# Altium PCB 19_2_Coupled_PP0.PcbDoc (part 3 of 5)
Units mil, origin at the board's own origin, x right, y up, seen from the top; angles counter-clockwise.
Board outline 3937.01 x 10826.77 mil, 10 copper layers (Layer_1 Top, Layer_2 GND Plane 1, Layer_3 Signal inner 1, Layer_4 Power Plane 1, Layer_5  Signal inner 2, Layer_6 GND Plane 2, Layer_7 Signal inner 3, Layer_8 Power Plane 2, Layer_9 GND Plane 3, Layer_10 Bottom), stack 69.4 mil thick; 120 components, 283 nets, 1231 pads, 1956 vias.
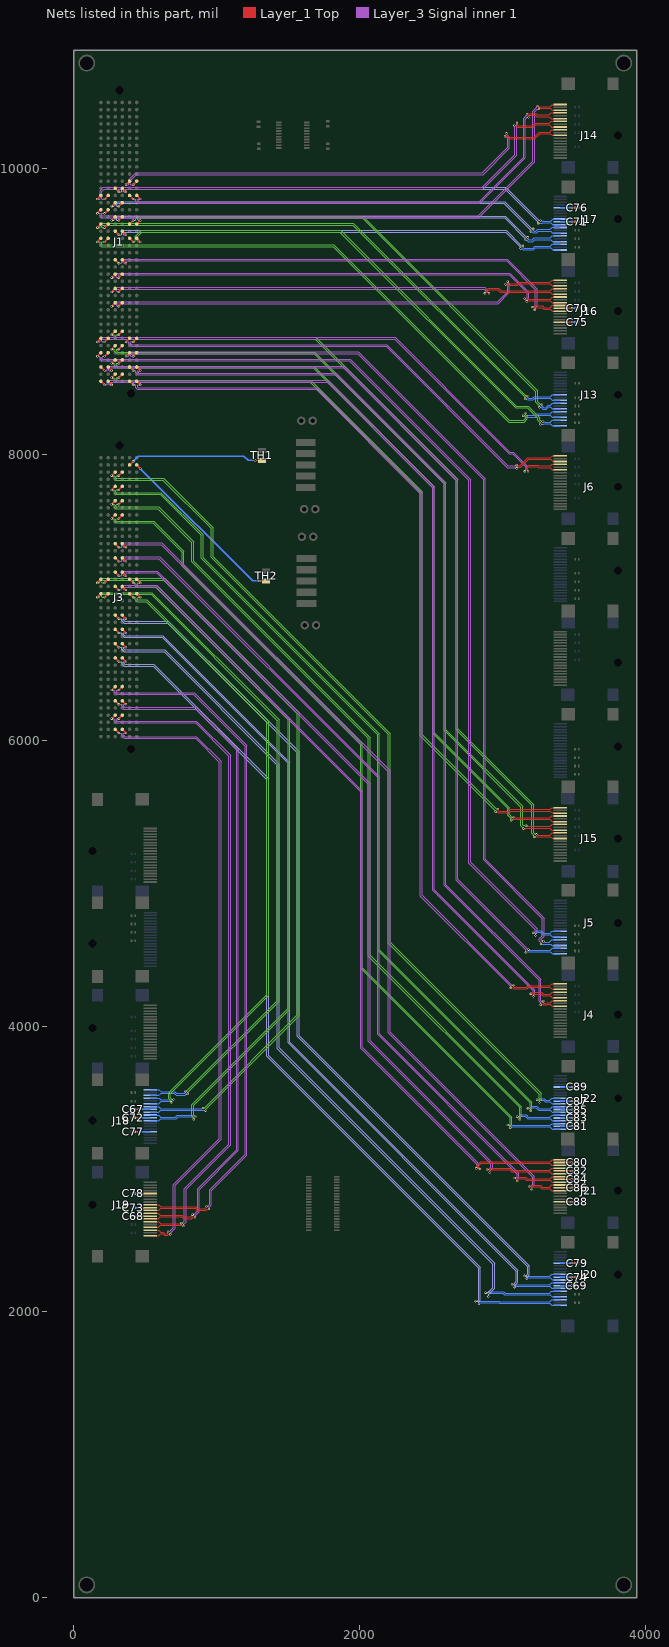
[diagram p11: the nets of this part, all layers, seen from the top]

## Via types
v1: diameter 16, hole 6, Layer_1 Top to Layer_10 Bottom, 1230 vias
v2: diameter 16, hole 6, Layer_1 Top to Layer_10 Bottom, tented both sides, 716 vias
v3: diameter 60, hole 40, Layer_1 Top to Layer_10 Bottom, 10 vias

## Nets (pads, with @x,y where several pads share a name; then routed paths per layer and width w, separated by ;. In a path a pad name is that pad's centre, name@x,y a point inside that pad or via, vN(x,y) a via of type N, cw(c..) or ccw(c..) an arc to the next point about the centre after c; other vN are vias at no path point) (continued)
NetC67_2: C67.2 J18.8 | length 105
  Layer_1 Top w9: C67.2@430.01,3417.13 430.46,3416.68 v2(453.01,3416.68)
  Layer_10 Bottom w9: v2(453.01,3416.68) 453.39,3417.06 J18.8@534.65,3417.06
NetC68_2: C68.2 J19.8 | length 105
  Layer_1 Top w9: v2(453.01,2671.49) 453.39,2671.11 J19.8@534.65,2671.11
  Layer_10 Bottom w9: C68.2@430,2670.99 430.46,2671.49 v2(453.01,2671.49)
NetC69_2: C69.2 J20.8 | length 105
  Layer_1 Top w9: v2(3483.35,2184.89) 3505.9,2184.89 C69.2@3506.35,2184.44
  Layer_10 Bottom w9: J20.8@3401.71,2184.51 3482.97,2184.51 v2(3483.35,2184.89)
NetC70_2: C70.2 J16.11 | length 105
  Layer_1 Top w9: J16.11@3402.71,9020.66 3483.97,9020.66 v2(3484.35,9020.28)
  Layer_10 Bottom w9: v2(3484.35,9020.28) 3506.9,9020.28 C70.2@3507.35,9020.73
NetC71_2: C71.2 J17.11 | length 105
  Layer_1 Top w9: v2(3484.35,9625.72) 3506.9,9625.72 C71.2@3507.35,9625.27
  Layer_10 Bottom w9: J17.11@3402.71,9625.34 3483.97,9625.34 v2(3484.35,9625.72)
NetC72_2: C72.2 J18.11 | length 105
  Layer_1 Top w9: C72.2@430.01,3358.07 430.46,3357.62 v2(453.01,3357.62)
  Layer_10 Bottom w9: v2(453.01,3357.62) 453.39,3358 J18.11@534.65,3358
NetC73_2: C73.2 J19.11 | length 105
  Layer_1 Top w9: v2(453.01,2730.54) 453.39,2730.17 J19.11@534.65,2730.17
  Layer_10 Bottom w9: C73.2@430.01,2730.1 430.46,2730.54 v2(453.01,2730.54)
NetC74_2: C74.2 J20.11 | length 105
  Layer_1 Top w9: v2(3483.35,2243.94) 3505.9,2243.94 C74.2@3506.35,2243.49
  Layer_10 Bottom w9: J20.11@3401.71,2243.56 3482.97,2243.56 v2(3483.35,2243.94)
NetC75_2: C75.2 J16.16 | length 105
  Layer_1 Top w9: J16.16@3402.71,8922.24 3483.97,8922.24 v2(3484.35,8921.86)
  Layer_10 Bottom w9: v2(3484.35,8921.86) 3506.9,8921.86 C75.2@3507.35,8922.31
NetC76_2: C76.2 J17.16 | length 105
  Layer_1 Top w9: v2(3484.35,9724.14) 3506.9,9724.14 C76.2@3507.35,9723.69
  Layer_10 Bottom w9: J17.16@3402.71,9723.76 3483.97,9723.76 v2(3484.35,9724.14)
NetC77_2: C77.2 J18.16 | length 105
  Layer_1 Top w9: C77.2@430.01,3259.65 430.46,3259.2 v2(453.01,3259.2)
  Layer_10 Bottom w9: v2(453.01,3259.2) 453.39,3259.57 J18.16@534.65,3259.57
NetC78_2: C78.2 J19.16 | length 105
  Layer_1 Top w9: v2(453.01,2828.97) 453.39,2828.59 J19.16@534.65,2828.59
  Layer_10 Bottom w9: C78.2@430.01,2828.52 430.46,2828.97 v2(453.01,2828.97)
NetC79_2: C79.2 J20.16 | length 105
  Layer_1 Top w9: v2(3483.35,2342.37) 3505.9,2342.37 C79.2@3506.35,2341.92
  Layer_10 Bottom w9: J20.16@3401.71,2341.99 3482.97,2341.99 v2(3483.35,2342.37)
NetC80_2: C80.2 J21.2 | length 105
  Layer_1 Top w9: J21.2@3401.71,3045.83 3482.97,3045.83 v2(3483.35,3045.45)
  Layer_10 Bottom w9: v2(3483.35,3045.45) 3505.9,3045.45 C80.2@3506.35,3045.9
NetC81_2: C81.2 J22.2 | length 105
  Layer_1 Top w9: v2(3484.91,3298.5) 3507.46,3298.5 C81.2@3507.91,3298.06
  Layer_10 Bottom w9: J22.2@3403.28,3298.13 3484.54,3298.13 v2(3484.91,3298.5)
NetC82_2: C82.2 J21.5 | length 105
  Layer_1 Top w9: J21.5@3401.71,2986.77 3482.97,2986.77 v2(3483.35,2986.39)
  Layer_10 Bottom w9: v2(3483.35,2986.39) 3505.9,2986.39 C82.2@3506.35,2986.84
NetC83_2: C83.2 J22.5 | length 105
  Layer_1 Top w9: v2(3484.91,3357.56) 3507.46,3357.56 C83.2@3507.91,3357.11
  Layer_10 Bottom w9: J22.5@3403.28,3357.18 3484.54,3357.18 v2(3484.91,3357.56)
NetC84_2: C84.2 J21.8 | length 105
  Layer_1 Top w9: J21.8@3401.71,2927.72 3482.97,2927.72 v2(3483.35,2927.34)
  Layer_10 Bottom w9: v2(3483.35,2927.34) 3505.9,2927.34 C84.2@3506.35,2927.79
NetC85_2: C85.2 J22.8 | length 105
  Layer_1 Top w9: v2(3484.91,3416.61) 3507.46,3416.61 C85.2@3507.91,3416.17
  Layer_10 Bottom w9: J22.8@3403.28,3416.24 3484.54,3416.24 v2(3484.91,3416.61)
NetC86_2: C86.2 J21.11 | length 105
  Layer_1 Top w9: J21.11@3401.71,2868.66 3482.97,2868.66 v2(3483.35,2868.28)
  Layer_10 Bottom w9: v2(3483.35,2868.28) 3505.9,2868.28 C86.2@3506.35,2868.73
NetC87_2: C87.2 J22.11 | length 105
  Layer_1 Top w9: v2(3484.91,3475.67) 3507.46,3475.67 C87.2@3507.91,3475.22
  Layer_10 Bottom w9: J22.11@3403.28,3475.29 3484.54,3475.29 v2(3484.91,3475.67)
NetC88_2: C88.2 J21.16 | length 105
  Layer_1 Top w9: J21.16@3401.71,2770.24 3482.97,2770.24 v2(3483.35,2769.86)
  Layer_10 Bottom w9: v2(3483.35,2769.86) 3505.9,2769.86 C88.2@3506.35,2770.31
NetC89_2: C89.2 J22.16 | length 105
  Layer_1 Top w9: v2(3484.91,3574.09) 3507.46,3574.09 C89.2@3507.91,3573.65
  Layer_10 Bottom w9: J22.16@3403.28,3573.72 3484.54,3573.72 v2(3484.91,3574.09)
NTC1_Q1_mon: J3.B39 TH1.1 | length 963.4
  Layer_1 Top w10: J3.B39@390,7925 v2(415,7950) ; v2(1269,7956) 1315.38,7956 TH1.1@1315.64,7956.26
  Layer_10 Bottom w10: v2(415,7950) 451,7986 1190,7986 1220,7956 v2(1269,7956)
NTC1_T1_mon: J3.A39 TH2.1 | length 1241.9
  Layer_1 Top w10: J3.A39@440,7925 v2(465,7900) ; v2(1298.01,7113.13) 1298.08,7113.19 TH2.1@1345.64,7113.19
  Layer_10 Bottom w10: v2(465,7900) 1251.87,7113.13 v2(1298.01,7113.13)
Q_1_n: J1.B21 J13.3 | length 3646.9
  Layer_1 Top w10: J1.B21@390,9510 v2(415,9485)
  Layer_5  Signal inner 2 w6: v2(415,9485) 427.49,9485 431,9488.51 431,9524.88 471.12,9565 1867.01,9565 3095.39,8336.61 3177.24,8336.61 3258.82,8255.04 3258.82,8240.79 3269.47,8230.14 3278.49,8230.14 v2(3280,8228.63)
  Layer_10 Bottom w6: v2(3280,8228.63) 3292.54,8228.63 3296.54,8224.63 3332.83,8224.63 3347.02,8238.81 J13.3@3402.71,8238.81
Q_1_p: J1.A21 J13.1 | length 3639.5
  Layer_1 Top w10: J1.A21@440,9510 v2(465,9485)
  Layer_5  Signal inner 2 w6: v2(465,9485) 449.51,9485 443,9491.51 443,9519.91 476.09,9553 1862.04,9553 3090.42,8324.61 3172.27,8324.61 3246.82,8250.07 3246.82,8235.82 3262.49,8220.15 3262.49,8211.14 v2(3264,8209.63)
  Layer_10 Bottom w6: v2(3264,8209.63) 3287.99,8209.63 3291.99,8213.63 3332.83,8213.63 3347.02,8199.44 J13.1@3402.71,8199.44
Q_2_n: J1.F21 J13.6 | length 3897.6
  Layer_1 Top w10: v2(165,9485) J1.F21@190,9510
  Layer_5  Signal inner 2 w6: v2(165,9485) 180.49,9485 184,9481.49 184,9462.39 194.54,9451.84 1813.16,9451.84 3040.72,8224.28 3150.82,8224.28 3172.81,8246.27 3172.81,8265.67 3161.76,8276.72 3161.76,8285.24 v2(3160,8287)
  Layer_10 Bottom w6: v2(3160,8287) 3161.41,8285.59 3161.41,8276.37 3166.78,8271 3226.36,8271 3238.91,8283.55 3332.39,8283.55 3346.46,8297.63 3402.47,8297.63 J13.6@3402.71,8297.87
Q_2_p: J1.E21 J13.4 | length 3853.6
  Layer_1 Top w10: v2(215,9484.86) 240,9509.86 J1.E21@240,9510
  Layer_5  Signal inner 2 w6: v2(215,9484.86) 199.51,9484.86 196,9481.35 196,9467.36 199.51,9463.84 1818.13,9463.84 3045.69,8236.28 3145.85,8236.28 3160.28,8250.71 3160.28,8261.24 3154.28,8267.24 3145.76,8267.24 v2(3144,8269)
  Layer_10 Bottom w6: v2(3144,8269) 3145.41,8267.59 3154.63,8267.59 3162.22,8260 3230.92,8260 3243.47,8272.55 3332.28,8272.55 3346.34,8258.5 J13.4@3402.71,8258.5
Q_3_n: J1.B23 J13.9 | length 3659.7
  Layer_1 Top w10: J1.B23@390,9610 v2(415,9635)
  Layer_5  Signal inner 2 w6: v2(415,9635) 430.49,9635 434,9638.51 434,9648.46 450.54,9665 2021.97,9665 3244.3,8442.67 3244.3,8367.18 3263.22,8348.26 3272.74,8348.26 v2(3274,8347)
  Layer_10 Bottom w6: v2(3274,8347) 3275.04,8345.96 3275.04,8335.99 3286,8325.03 3300.94,8325.03 3318.65,8342.75 3332.53,8342.75 3336.05,8346.26 3336.05,8346.38 3346.46,8356.8 3402.59,8356.8 J13.9@3402.71,8356.92
Q_3_p: J1.A23 J13.7 | length 3639.1
  Layer_1 Top w10: J1.A23@440,9610 v2(465,9635)
  Layer_5  Signal inner 2 w6: v2(465,9635) 449.51,9635 446,9638.51 446,9643.49 455.51,9653 2017,9653 3232.3,8437.7 3232.3,8362.21 3255.74,8338.78 3255.74,8329.26 v2(3257,8328)
  Layer_10 Bottom w6: v2(3257,8328) 3257.78,8327.22 3268.26,8327.22 3281.44,8314.03 3305.49,8314.03 3323.21,8331.75 3332.53,8331.75 3336.05,8328.24 3336.05,8328.14 3346.46,8317.72 3402.54,8317.72 J13.7@3402.71,8317.55
Q_4_n: J1.F23 J13.12 | length 3814.5
  Layer_1 Top w10: v2(165,9585) J1.F23@190,9610
  Layer_5  Signal inner 2 w6: v2(165,9585) 180.49,9585 184,9588.51 184,9598.46 200.54,9615 1955.72,9615 3162.42,8408.31 3171.17,8408.31 v2(3172.81,8406.66)
  Layer_10 Bottom w6: v2(3172.81,8406.66) 3174.11,8405.37 3174.11,8395.91 3179.36,8390.66 3208.42,8390.66 3219.55,8401.79 3334,8401.79 3348.19,8415.98 J13.12@3402.71,8415.98
Q_4_p: J1.E23 J13.10 | length 3793.8
  Layer_1 Top w10: v2(215,9585) J1.E23@240,9610
  Layer_5  Signal inner 2 w6: v2(215,9585) 199.51,9585 196,9588.51 196,9593.49 205.51,9603 1950.75,9603 3156.36,8397.4 3156.36,8388.64 v2(3158,8387)
  Layer_10 Bottom w6: v2(3158,8387) 3159.29,8385.71 3168.75,8385.71 3174.8,8379.66 3212.97,8379.66 3224.1,8390.79 3334,8390.79 3348.19,8376.61 J13.10@3402.71,8376.61
Q_6_n: J1.F25 J14.3 | length 3821.9
  Layer_1 Top w6: v2(3254,10415.88) 3254.12,10416 3256.71,10416 3261.58,10420.88 3331,10420.88 3345.19,10406.69 J14.3@3402.36,10406.69
  Layer_1 Top w10: v2(165,9685) J1.F25@190,9710
  Layer_3 Signal inner 1 w6: v2(165,9685) 180.49,9685 184,9681.49 184,9667.54 197.03,9654.51 2833.46,9654.51 3223.5,10044.56 3223.5,10394.7 3243.32,10414.52 3252.64,10414.52 v2(3254,10415.88)
Q_6_p: J1.E25 J14.1 | length 3807.7
  Layer_1 Top w6: v2(3243,10435.88) 3245.71,10435.88 3249.71,10431.88 3331,10431.88 3345.19,10446.06 J14.1@3402.36,10446.06
  Layer_1 Top w10: v2(215,9685) J1.E25@240,9710
  Layer_3 Signal inner 1 w6: v2(215,9685) 199.51,9685 196,9681.49 196,9672.51 202,9666.51 2828.49,9666.51 3211.5,10049.53 3211.5,10399.67 3239.33,10427.5 3239.33,10429.5 3243,10433.17 v2(3243,10435.88)
Q_7_n: J1.B27 J14.6 | length 3468.9
  Layer_1 Top w6: v2(3181,10357.12) 3182.91,10359.04 3182.91,10366.5 3187.41,10371 3229.28,10371 3238.37,10361.91 3326.91,10361.91 3341.19,10347.64 J14.6@3402.36,10347.64
  Layer_1 Top w10: J1.B27@390,9810 v2(415,9785)
  Layer_3 Signal inner 1 w6: v2(415,9785) 430.49,9785 434,9781.49 434,9771.03 450.03,9755 2840,9755 3158.86,10073.86 3158.86,10344.29 3170.32,10355.76 3179.63,10355.76 v2(3181,10357.12)
Q_7_p: J1.A27 J14.4 | length 3446.8
  Layer_1 Top w6: v2(3170,10377) 3171.91,10378.91 3179.77,10378.91 3182.85,10382 3233.83,10382 3242.92,10372.91 3327.09,10372.91 3341.19,10387.01 J14.4@3402.36,10387.01
  Layer_1 Top w10: J1.A27@440,9810 v2(465,9785)
  Layer_3 Signal inner 1 w6: v2(465,9785) 449.51,9785 446,9781.49 446,9776 455,9767 2835.03,9767 3146.86,10078.83 3146.86,10349.26 3166.28,10368.68 3166.28,10370.57 3170,10374.29 v2(3170,10377)
Q_8_n: J1.F27 J14.9 | length 3652.5
  Layer_1 Top w6: v2(3081.5,10299) 3082.09,10298.41 3092.95,10298.41 3105.88,10285.48 3214.63,10285.48 3231.92,10302.77 3327,10302.77 3339.77,10290 3340,10290 3341.42,10288.58 J14.9@3402.36,10288.58
  Layer_1 Top w10: v2(165,9785) J1.F27@190,9810
  Layer_3 Signal inner 1 w6: v2(165,9785) 180.49,9785 184,9788.51 184,9844.46 206.54,9867 2857,9867 3085.5,10095.5 3085.5,10291.29
Q_8_p: J1.E27 J14.7 | length 3661.6
  Layer_1 Top w6: v2(3100,10317.77) 3100.59,10317.17 3100.59,10306.32 3110.43,10296.48 3210.08,10296.48 3227.37,10313.77 3327,10313.77 3341.19,10327.95 J14.7@3402.36,10327.95
  Layer_1 Top w10: v2(215,9785) J1.E27@240,9810
  Layer_3 Signal inner 1 w6: v2(215,9785) 199.51,9785 196,9788.51 196,9839.49 211.51,9855 2861.97,9855 3097.5,10090.53 3097.5,10291.29 3097.5,10309.25
Q_9_n: J1.B29 J14.12 | length 3335.9
  Layer_1 Top w6: v2(3016.21,10223.01) 3016.91,10222.31 3027.55,10222.31 3044.86,10205 3224.4,10205 3261.6,10242.2 3332.51,10242.2 3345.19,10229.53 J14.12@3402.36,10229.53
  Layer_1 Top w10: v2(365,9885) J1.B29@390,9910
  Layer_3 Signal inner 1 w6: v2(365,9885) 380.49,9885 384,9888.51 384,9919 433.04,9968.04 2858.04,9968.04 3035.47,10145.47 3035.47,10211.47 3025.84,10221.1 3018.12,10221.1 v2(3016.21,10223.01)
Q_9_p: J1.A29 J14.10 | length 3338.9
  Layer_1 Top w6: v2(3026.95,10244.34) 3028.86,10242.42 3028.86,10236.55 3049.41,10216 3219.84,10216 3257.05,10253.2 3328.2,10253.2 3343.9,10268.9 J14.10@3399.85,10268.9
  Layer_1 Top w10: v2(415,9885) J1.A29@440,9910
  Layer_3 Signal inner 1 w6: v2(415,9885) 399.51,9885 396,9888.51 396,9914.03 438.01,9956.04 2863.01,9956.04 3047.47,10140.5 3047.47,10216.44 3028.86,10235.05
Q_11_n: J1.D2 J15.3 | length 5450.6
  Layer_1 Top w6: v2(2951.57,5499.33) 2952.7,5498.19 2962.47,5498.19 2968.67,5492 3047.01,5492 3059.16,5504.16 3333.61,5504.16 3346.46,5491.31 3400.55,5491.31 J15.3@3402.71,5489.14
  Layer_1 Top w10: v2(265,8535) J1.D2@290,8560
  Layer_5  Signal inner 2 w6: v2(265,8535) 280.49,8535 284,8531.49 284,8521.54 302.54,8503 1655.03,8503 2425,7733.03 2425,6032.17 2949.65,5507.52 2949.65,5501.24 v2(2951.57,5499.33)
Q_11_p: J1.C2 J15.1 | length 5432.5
  Layer_1 Top w6: v2(2967,5519) 2968.13,5517.87 2968.13,5508.09 2973.22,5503 3042.45,5503 3054.61,5515.16 3332.93,5515.16 3346.28,5528.51 J15.1@3402.71,5528.51
  Layer_1 Top w10: v2(315,8535) J1.C2@340,8560
  Layer_5  Signal inner 2 w6: v2(315,8535) 299.51,8535 296,8531.49 296,8526.51 307.51,8515 1660,8515 2437,7738 2437,6037.14 2953.65,5520.49 2965.51,5520.49 v2(2967,5519)
Q_12_n: J1.D4 J15.6 | length 5552.1
  Layer_1 Top w6: v2(3060,5440) 3062.71,5440 3067.71,5445 3330.1,5445 3345.02,5430.09 J15.6@3402.71,5430.09
  Layer_1 Top w10: v2(265,8635) J1.D4@290,8660
  Layer_5  Signal inner 2 w6: v2(265,8635) 280.49,8635 284,8631.49 284,8621.54 302.54,8603 1675.03,8603 2511,7767.03 2511,6047.03 3035,5523.03 3035,5475.01 3058.99,5451.03 3058.99,5441.01 v2(3060,5440)
Q_12_p: J1.C4 J15.4 | length 5522
  Layer_1 Top w6: v2(3076,5461) 3078.71,5461 3083.71,5456 3330.35,5456 3343.81,5469.46 J15.4@3402.71,5469.46
  Layer_1 Top w10: v2(315,8635) J1.C4@340,8660
  Layer_5  Signal inner 2 w6: v2(315,8635) 299.51,8635 296,8631.49 296,8626.51 307.51,8615 1680,8615 2523,7772 2523,6052 3047,5528 3047,5479.99 3064.97,5462.01 3074.99,5462.01 v2(3076,5461)
Q_13_n: J1.D6 J15.9 | length 5662.8
  Layer_1 Top w6: v2(3146,5381) 3148.71,5381 3152.71,5385 3329.35,5385 3343.32,5371.03 J15.9@3402.71,5371.03
  Layer_1 Top w10: v2(265,8735) J1.D6@290,8760
  Layer_5  Signal inner 2 w6: v2(265,8735) 280.49,8735 284,8731.49 284,8721.54 303.17,8702.38 1680.65,8702.38 2591,7792.03 2591,6069 3128,5532 3128,5401.46 3132.57,5396.89 3132.57,5394.43 v2(3146,5381)
Q_13_p: J1.C6 J15.7 | length 5638.8
  Layer_1 Top w6: v2(3164,5401) 3166.71,5401 3171.71,5396 3331.88,5396 3346.28,5410.4 J15.7@3402.71,5410.4
  Layer_1 Top w10: v2(315,8735) J1.C6@340,8760
  Layer_5  Signal inner 2 w6: v2(315,8735) 299.51,8735 296,8731.49 296,8726.51 308.14,8714.38 1685.62,8714.38 2603,7797 2603,6073.97 3140,5536.97 3140,5406.43 3143.51,5402.91 3162.09,5402.91 v2(3164,5401)
Q_14_n: J1.D8 J15.12 | length 5777.6
  Layer_1 Top w6: 3228.51,5325 3333.26,5325 3346.28,5311.98 J15.12@3402.71,5311.98
  Layer_1 Top w10: v2(265,8835) J1.D8@290,8860
  Layer_5  Signal inner 2 w6: v2(265,8835) 278.98,8835 282.49,8831.49 282.49,8815.04 293.04,8804.5 1688.53,8804.5 2674,7819.03 2674,6073.76 3204.09,5543.67 3204.09,5347.42 3218.74,5332.78 3218.74,5323.26 v2(3220,5322)
Q_14_p: J1.C8 J15.10 | length 5762.9
  Layer_1 Top w6: v2(3237,5341) 3239.71,5341 3244.71,5336 3330.61,5336 3345.95,5351.35 J15.10@3402.71,5351.35
  Layer_1 Top w10: v2(315,8835) J1.C8@340,8860
  Layer_5  Signal inner 2 w6: v2(315,8835) 299.51,8835 294.49,8829.98 294.49,8820.01 298.01,8816.5 1693.5,8816.5 2686,7824 2686,6078.73 3216.09,5548.64 3216.09,5352.39 3226.22,5342.26 3235.74,5342.26 v2(3237,5341)
Q_16_n: J1.D12 J16.3 | length 3314.1
  Layer_1 Top w6: v2(3019,9188.56) 3020.22,9187.34 3029.82,9187.34 3036.84,9180.33 3105.96,9180.33 3116.32,9190.69 3333.69,9190.69 3346.23,9178.14 J16.3@3402.71,9178.14
  Layer_1 Top w10: v2(265,9035) J1.D12@290,9060
  Layer_3 Signal inner 1 w6: v2(265,9035) 266.52,9036.52 275.52,9036.52 284,9045 284,9054.65 294.85,9065.5 2964.31,9065.5 3035.47,9136.66 3035.47,9180.99 3029.47,9186.99 3020.57,9186.99 v2(3019,9188.56)
Q_16_p: J1.C12 J16.1 | length 3314.5
  Layer_1 Top w6: v2(3035,9207.33) 3051,9191.33 3101.4,9191.33 3111.76,9201.69 3330.41,9201.69 3346.23,9217.51 J16.1@3402.71,9217.51
  Layer_1 Top w10: v2(315,9035) J1.C12@340,9060
  Layer_3 Signal inner 1 w6: v2(315,9035) 313.48,9036.52 304.48,9036.52 296.14,9044.86 296.14,9049.83 299.82,9053.5 2969.28,9053.5 3047.47,9131.69 3047.47,9185.96 3036.57,9196.86 3036.57,9205.76 v2(3035,9207.33)
Q_17_n: J1.D14 J16.6 | length 3261.5
  Layer_1 Top w6: v2(2905,9125) 2904.81,9125 2895.5,9134.31 2895.5,9140.78 2905,9150.28 2966.5,9150.28 2983.66,9133.12 3334.15,9133.12 3348.19,9119.09 J16.6@3402.71,9119.09
  Layer_1 Top w10: v2(265,9135) J1.D14@290,9160
  Layer_3 Signal inner 1 w6: v2(265,9135) 266.52,9136.52 275.52,9136.52 284,9145 284,9154.97 295.25,9166.22 2874.79,9166.22 2885.46,9155.56 2896,9145.01 2896,9134 v2(2905,9125)
Q_17_p: J1.C14 J16.4 | length 3240.1
  Layer_1 Top w6: v2(2875,9125) 2875.19,9125 2884.5,9134.31 2884.5,9145.34 2900.44,9161.28 2971.05,9161.28 2988.21,9144.12 3333.85,9144.12 3348.19,9158.46 J16.4@3402.71,9158.46
  Layer_1 Top w10: v2(315,9135) J1.C14@340,9160
  Layer_3 Signal inner 1 w6: v2(315,9135) 313.48,9136.52 304.48,9136.52 296,9145 296,9150 300.22,9154.22 2869.82,9154.22 2880.49,9143.56 2884,9140.04 2884,9134 v2(2875,9125)
Q_18_n: J1.D16 J16.9 | length 3342.7
  Layer_1 Top w6: v2(3168,9069) 3170.71,9069 3175.71,9074 3332.05,9074 3346.02,9060.03 J16.9@3402.71,9060.03
  Layer_1 Top w10: v2(265,9235) J1.D16@290,9260
  Layer_3 Signal inner 1 w6: v2(265,9235) 280.49,9235 284,9238.51 284,9254.76 294.74,9265.5 3050.06,9265.5 3182.78,9132.78 3182.78,9093.29 3169.26,9079.78 3169.26,9070.26 v2(3168,9069)
Q_18_p: J1.C16 J16.7 | length 3308.7
  Layer_1 Top w6: v2(3152,9089) 3154.71,9089 3158.71,9085 3331.83,9085 3346.23,9099.4 J16.7@3402.71,9099.4
  Layer_1 Top w10: v2(315,9235) J1.C16@340,9260
  Layer_3 Signal inner 1 w6: v2@313.09,9236.91 v2(315,9235) 299.51,9235 296,9238.51 296,9249.79 299.71,9253.5 3045.09,9253.5 3170.78,9127.81 3170.78,9098.26 3162.78,9090.26 3153.26,9090.26 v2(3152,9089)
Q_19_n: J1.D18 J16.12 | length 3423.2
  Layer_1 Top w6: v2(3225,9010) 3225.16,9010.16 3225.16,9021.88 3229.28,9026 3275.5,9026 3287,9014.5 3333.97,9014.5 3347.5,9000.98 J16.12@3402.71,9000.98
  Layer_1 Top w10: J1.D18@290,9360 v2(315,9335)
  Layer_3 Signal inner 1 w6: v2(315,9335) 328.49,9335 334,9340.51 334,9354.51 344.54,9365.05 3031.92,9365.05 3241.5,9155.47 3241.5,9037.52 3225.51,9021.53 3225.51,9010.51 v2(3225,9010)
Q_19_p: J1.C18 J16.10 | length 3381.7
  Layer_1 Top w6: v2(3206,9030) 3206.16,9030.16 3217.88,9030.16 3224.72,9037 3280.06,9037 3291.56,9025.5 3331.33,9025.5 3346.18,9040.35 J16.10@3402.71,9040.35
  Layer_1 Top w10: J1.C18@340,9360 v2(365,9335)
  Layer_3 Signal inner 1 w6: v2(365,9335) 351.51,9335 346,9340.51 346,9349.54 349.51,9353.05 3026.95,9353.05 3229.5,9150.5 3229.5,9042.49 3217.53,9030.51 3206.51,9030.51 v2(3206,9030)
Q_21_n: J1.D22 J17.3 | length 3208.9
  Layer_1 Top w10: J1.D22@290,9560 v2(315,9535)
  Layer_7 Signal inner 3 w6: v2(315,9535) 330.49,9535 334,9538.51 334,9548.46 350.54,9565 3025.77,9565 3131.53,9459.24 3140.43,9459.24 v2(3142,9457.67)
  Layer_10 Bottom w6: v2(3142,9457.67) 3143.22,9456.46 3143.22,9446.85 3148.39,9441.67 3212.64,9441.67 3224.64,9453.67 3334.15,9453.67 3348.34,9467.86 J17.3@3402.71,9467.86
Q_21_p: J1.C22 J17.1 | length 3188.2
  Layer_1 Top w10: J1.C22@340,9560 v2(365,9535)
  Layer_7 Signal inner 3 w6: v2(365,9535) 349.51,9535 346,9538.51 346,9543.49 355.51,9553 3020.8,9553 3124.43,9449.38 3124.43,9440.48 v2(3126,9438.91)
  Layer_10 Bottom w6: v2(3126,9438.91) 3127.22,9437.69 3136.82,9437.69 3143.84,9430.67 3217.2,9430.67 3229.2,9442.67 3335.25,9442.67 3349.43,9428.49 J17.1@3402.71,9428.49
Q_22_n: J1.D24 J17.6 | length 3274.7
  Layer_1 Top w10: v2(265,9635) J1.D24@290,9660
  Layer_7 Signal inner 3 w6: v2(265,9635) 280.49,9635 284,9638.51 284,9648.46 300.54,9665 3018.1,9665 3164.53,9518.57 3173.43,9518.57 v2(3175,9517)
  Layer_10 Bottom w6: v2(3175,9517) 3176.91,9515.09 3176.91,9507.09 3183,9501 3205.22,9501 3219.22,9515 3334.1,9515 3346.02,9526.91 J17.6@3402.71,9526.91
Q_22_p: J1.C24 J17.4 | length 3256.8
  Layer_1 Top w10: v2(315,9635) J1.C24@340,9660
  Layer_7 Signal inner 3 w6: v2(315,9635) 299.51,9635 296,9638.51 296,9643.49 305.51,9653 3013.13,9653 3157.43,9508.7 3157.43,9499.8 v2(3159,9498.23)
  Layer_10 Bottom w6: v2(3159,9498.23) 3160.91,9496.32 3168.91,9496.32 3177.5,9487.73 3210.72,9487.73 3224.72,9501.73 3334.47,9501.73 3348.66,9487.54 J17.4@3402.71,9487.54
Q_23_n: J1.D26 J17.9 | length 3294.6
  Layer_1 Top w10: v2(265,9735) J1.D26@290,9760
  Layer_7 Signal inner 3 w6: v2(265,9735) 280.49,9735 284,9738.51 284,9748.46 302.54,9767 3013.1,9767 3202.53,9577.57 3211.43,9577.57 v2(3213,9576)
  Layer_10 Bottom w6: v2@3212.77,9576.23 v2(3213,9576) 3214.22,9574.78 3214.22,9565.18 3219.39,9560 3232.29,9560 3244.08,9571.78 3331.83,9571.78 3346.02,9585.97 J17.9@3402.71,9585.97
Q_23_p: J1.C26 J17.7 | length 3273.6
  Layer_1 Top w10: v2(315,9735) J1.C26@340,9760
  Layer_7 Signal inner 3 w6: v2(315,9735) 299.51,9735 296,9738.51 296,9743.49 307.51,9755 3008.13,9755 3195.43,9567.7 3195.43,9558.8 v2(3197,9557.23)
  Layer_10 Bottom w6: v2(3197,9557.23) 3198.22,9556.01 3207.82,9556.01 3214.84,9549 3236.85,9549 3248.63,9560.78 3334.47,9560.78 3348.66,9546.6 J17.7@3402.71,9546.6
Q_24_n: J1.D28 J17.12 | length 3245.8
  Layer_1 Top w10: J1.D28@290,9860 v2(315,9835)
  Layer_7 Signal inner 3 w6: v2(315,9835) 330.49,9835 334,9838.51 334,9848.46 352.54,9867 3022.94,9867 3253.53,9636.41 3262.43,9636.41 v2(3264,9634.84)
  Layer_10 Bottom w6: v2(3264,9634.84) 3264.71,9634.13 3281,9634.13 3284.29,9630.84 3334.47,9630.84 3348.66,9645.02 J17.12@3402.71,9645.02
Q_24_p: J1.C28 J17.10 | length 3233.9
  Layer_1 Top w10: J1.C28@340,9860 v2(365,9835)
  Layer_7 Signal inner 3 w6: v2(365,9835) 349.51,9835 346,9838.51 346,9843.49 357.51,9855 3017.97,9855 3246.43,9626.54 3246.43,9617.64 v2(3248,9616.07)